# Altium PCB Cell Characterization Board V1.1.PcbDoc (part 2 of 2)
Units mm, origin at the board's own origin, x right, y up, seen from the top; angles counter-clockwise.
Board outline 178.87 x 183.46 mm, 4 copper layers (Top Layer, GND Plane, Power Plane, Bottom Layer), stack 1.746 mm thick; 105 components, 79 nets, 412 pads, 626 vias.
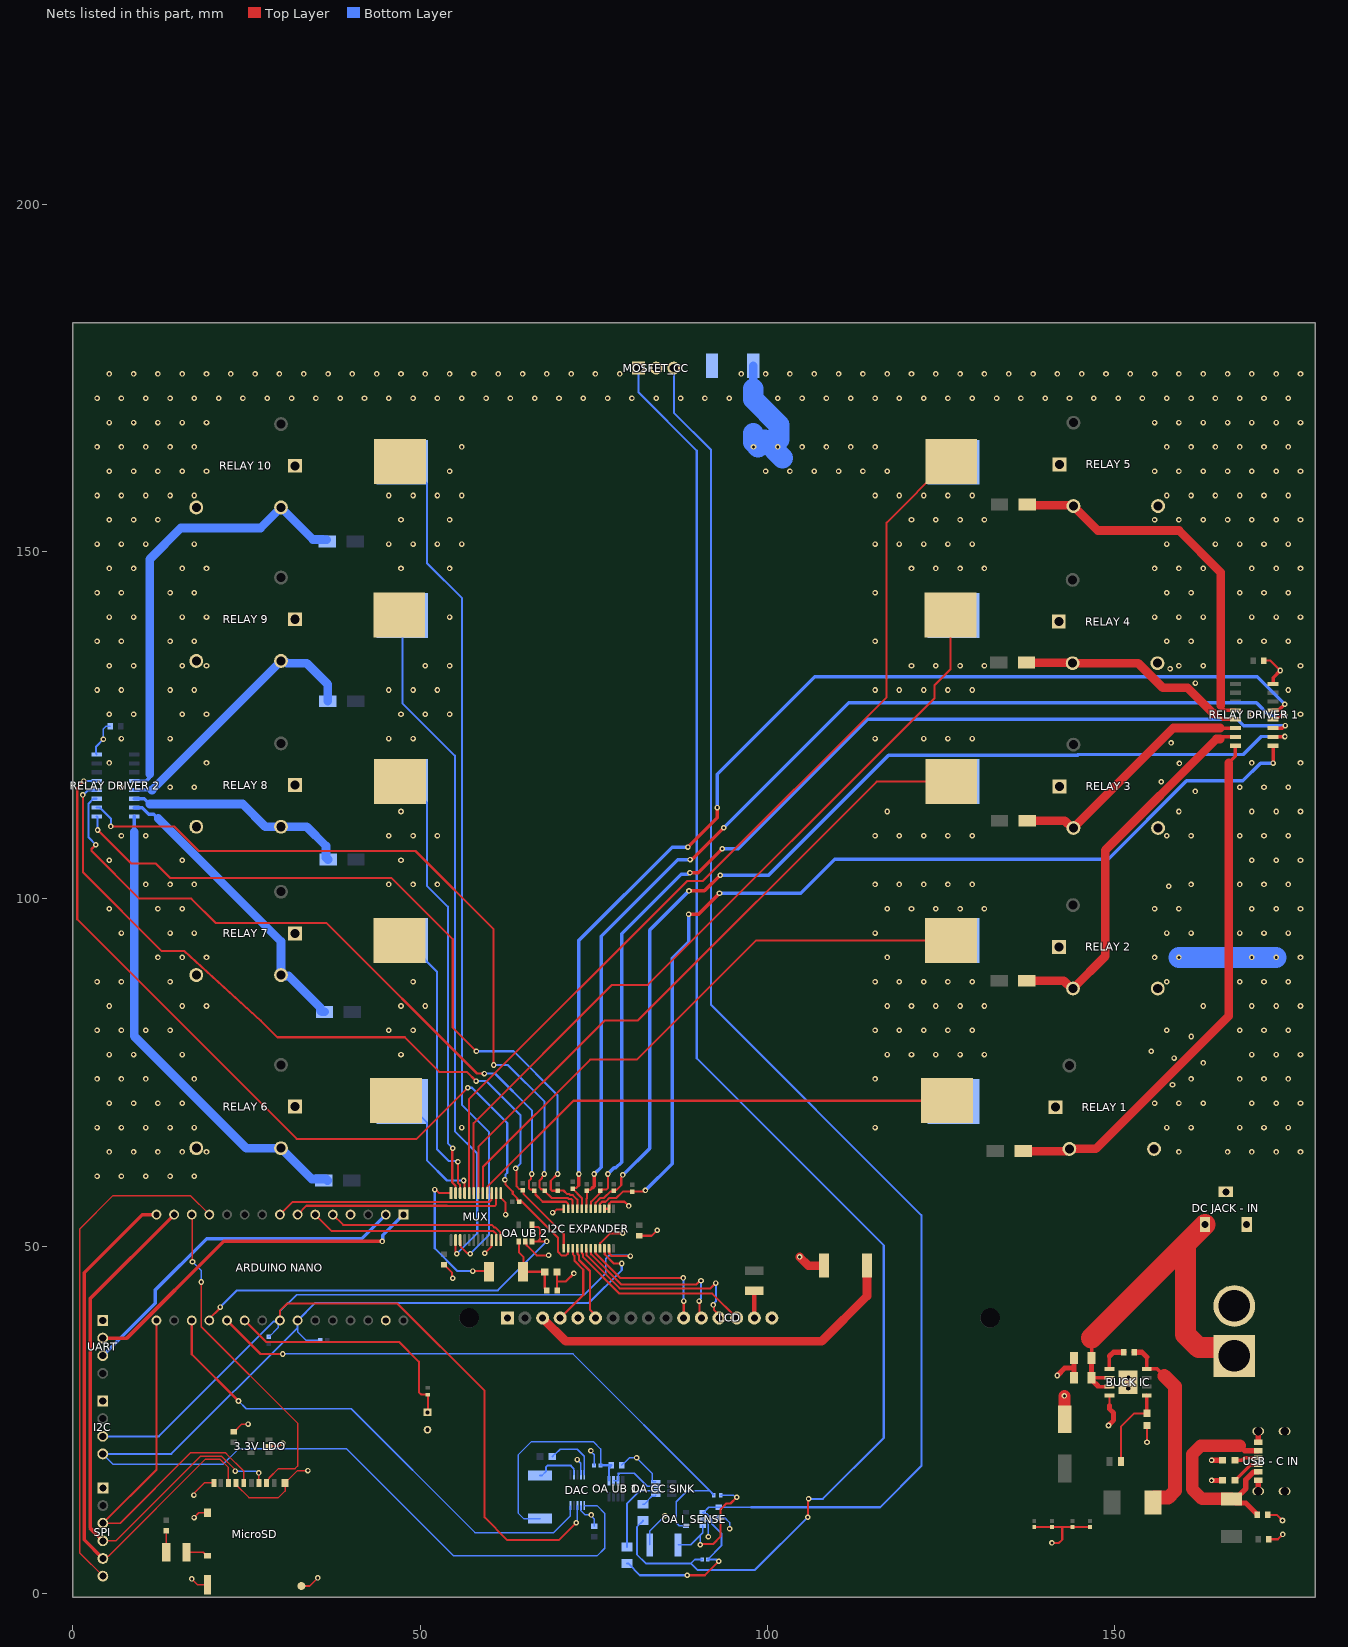
[diagram p4: the nets of this part, all layers, seen from the top]

## Via types
v1: diameter 0.8, hole 0.4, Top Layer to Bottom Layer, tented both sides, 483 vias
v2: diameter 0.8, hole 0.4, Top Layer to Bottom Layer, 141 vias
v3: diameter 1.27, hole 0.6, Top Layer to Bottom Layer, 2 vias

## Nets (pads, with @x,y where several pads share a name; then routed paths per layer and width w, separated by ;. In a path a pad name is that pad's centre, name@x,y a point inside that pad or via, vN(x,y) a via of type N, cw(c..) or ccw(c..) an arc to the next point about the centre after c; other vN are vias at no path point) (continued)
GND: "3.3V LDO.2" "ARDUINO NANO.4" "ARDUINO NANO.29" "BUCK IC.4" "BUCK IC.9" "DC JACK - IN.2" "DC JACK - IN.3" "I2C EXPANDER.2" "I2C EXPANDER.3" "I2C EXPANDER.12" "I2C EXPANDER.21" "OA CC SINK.4" "OA I_SENSE.2" "OA UB 2.2" "RELAY DRIVER 1.8" "RELAY DRIVER 2.8" "USB - C IN.1" "USB - C IN.2" "USB - C IN.3" "USB - C IN.4" "USB - C IN.A12" "USB - C IN.B12" C1.1 C2.1 C4.2 C5.1 C6.2 C7.2 C8.2 C9.2 C10.2 C11.2 C12.2 C14.2 C15.2 C16.2 C17.2 C18.2 C19.2 C20.1 CELL1.1 CELL2.1 CELL3.1 CELL4.1 CELL5.1 CELL6.1 CELL7.1 CELL8.1 CELL9.1 CELL10.1 DAC.4 DAC.7 I2C.1 LCD.1 LCD.5 LCD.16 MicroSD.6 MicroSD.9 MicroSD.11 MicroSD.12 MicroSD.13 MicroSD.14 MUX.12 MUX.15 NTC.2 R2.1 R3.1 R4.1 R9.1 R11.1 R17.1 R18.1 SHUNT.2 SPI.1 UART.1 XT60.N | length 162
  Top Layer w0.22: v2(17.145,2.083) 17.978,1.25 MicroSD.13@19.413,1.25 ; v2(17.45,14.148) 17.561,14.259 17.561,14.512 18.948,15.9 MicroSD.9@20.363,15.9 ; v2(17.475,10.922) 18.153,11.6 MicroSD.12@19.413,11.6 ; C20.1@23.194,23.273 23.244,23.273 24.343,24.372 v2(25.252,24.372) ; MicroSD.6@23.513,15.9 23.513,15.65 25.371,13.792 29.616,13.792 30.563,14.739 MicroSD.11@30.563,15.9 ; 28.263,21.183 29.688,21.183 30.094,21.59 v2(30.251,21.59) ; MicroSD.11@30.563,16 30.953,16.39 31.053,16.39 32.342,17.678 v2(33.858,17.678) ; MicroSD.14@32.927,1.064 34.109,1.064 v2(35.281,2.235)
  Top Layer w0.3: C12.2@53.442,47.307 53.492,47.307 54.62,46.178 54.62,45.46 v2(54.716,45.364) ; v2(59.309,48.971) 59.91,49.572 59.914,49.572 60.307,49.966 60.307,50.849 MUX.15@60.329,50.871 ; MUX.12@61.629,57.621 61.629,56.953 62.326,56.256 v2(62.326,54.534) ; 65.171,50.679 65.346,50.504 65.346,50.107 66.787,48.666 v2(68.504,48.666) ; v2(69.084,54.827) 69.219,54.827 69.688,55.296 70.645,55.296 70.645,55.327 70.695,55.377 ; R11.1@69.715,46.264 69.737,46.243 69.737,44.92 ; C4.2@69.737,43.597 69.737,44.92 ; v2(72.162,46.061) 71.02,44.92 69.737,44.92 ; 75.895,49.677 75.941,49.723 75.941,50.415 77.376,51.85 v2(79.201,51.85) ; 76.545,55.377 77.195,55.377 77.241,55.423 77.241,56.115 77.507,56.381 79.443,56.381 80.037,55.787 v2(80.051,55.787) ; C18.2@81.557,51.487 83.349,51.487 v2(84.154,52.292) ; C8.2@138.43,9.55 C9.2@140.995,9.55 142.464,9.55 ; v2(140.97,7.264) 141.986,7.264 142.464,7.742 142.464,9.55 ; C6.2@146.484,9.55 C7.2@143.933,9.55 142.464,9.55 ; 149.248,27.063 149.248,28.499 ; R9.1@154.633,24.171 154.661,24.143 v2(154.661,21.768) ; C14.2@171.489,134.29 172.441,134.29 v2(173.863,132.867) ; C1.1@172.024,11.33 172.052,11.303 173.355,11.303 v2(174.168,10.49) ; C2.1@172.2,7.798 173.507,7.798 v2(174.193,8.484)
  Top Layer w0.5: 172.796,130.937 172.796,130.962 172.822,130.987 172.822,131.826 v2(173.863,132.867)
  Top Layer w0.7: v2(149.12,24.171) 149.12,24.198 149.85,24.928 149.85,25.971 149.248,26.573 149.248,27.063
  Top Layer w0.75: v2(141.757,31.369) 141.757,31.383 142.821,32.446 142.821,32.459 144.136,32.459 ; C11.2@144.136,31.039 144.136,32.459 ; C10.2@144.136,33.879 144.136,32.459 ; v2(163.964,16.272) R3.1@165.524,16.272 ; v2(163.964,19.172) R4.1@165.524,19.172 ; XT60.N@167.519,41.106 XT60.N@167.24,41.385 XT60.N@167.722,41.868 ; 170.649,21.797 170.674,21.772 170.674,23.342 ; 170.674,14.702 170.674,16.272
  Top Layer w1.25: v2(104.648,48.438) 105.893,47.193 R2.1@108.152,47.193 ; v2(142.773,28.423) v2@142.821,28.375
  Top Layer w1.75: v2(142.773,28.423) 142.773,25.111 C5.1@142.821,25.063
  Bottom Layer w0.22: v2(4.42,122.961) 4.42,124.485 4.775,124.841 C19.2@5.397,124.841 ; v2(72.648,19.267) 72.648,19.235 73.148,18.735 DAC.4@73.148,17.079 ; DAC.7@73.148,12.647 73.148,11.949 73.8,11.297 v2(74.636,11.297) 74.636,11.165 75.086,10.715 C15.2@75.086,9.644 ; v2(74.6,20.532) 74.6,20.444 75.072,19.972 R17.1@75.072,18.444 ; C17.2@79.052,18.444 79.052,18.494 79.342,18.784 79.392,18.784 80.14,19.533 v2(81.178,19.533) 83.409,17.302 83.409,16.201 83.544,16.066 83.947,16.066 ; R18.1@83.047,6.985 83.047,8.955 v2(85.268,11.176) ; 90.706,10.697 90.921,10.482 91.261,10.482 91.52,10.223 91.52,8.157 v2(91.516,8.153) ; C16.2@93.015,10.897 93.878,10.897 94.564,10.211 v2(94.564,9.322)
  Bottom Layer w0.3: 3.447,120.752 3.447,120.833 3.378,120.902 3.378,121.92 v2(4.42,122.961)
  Bottom Layer w1.25: 97.971,173.38 SHUNT.2@97.971,176.733
  Bottom Layer w3: 97.971,167.006 97.971,165.756 98.663,165.065 ; 97.971,173.38 97.971,171.963 101.702,168.233 101.702,166.141 ; 99.628,166.031 102.21,163.449
  other v1: 56.009,67.065 115.509,67.065 115.509,74.065 47.259,77.565 117.259,77.565 120.759,77.565 124.259,77.565 127.759,77.565 131.259,77.565 45.509,81.065 49.009,81.065 115.509,81.065 119.009,81.065 122.509,81.065 126.009,81.065 129.509,81.065 47.259,84.565 50.759,84.565 117.259,84.565 120.759,84.565 124.259,84.565 127.759,84.565 131.259,84.565 49.009,88.065 115.509,88.065 119.009,88.065 122.509,88.065 126.009,88.065 129.509,88.065 117.259,91.565 115.509,95.065 117.259,98.565 120.759,98.565 124.259,98.565 127.759,98.565 131.259,98.565 45.509,102.065 49.009,102.065 52.509,102.065 115.509,102.065 119.009,102.065 122.509,102.065 126.009,102.065 129.509,102.065 47.259,105.565 45.509,109.065 49.009,109.065 52.509,109.065 115.509,109.065 119.009,109.065 122.509,109.065 126.009,109.065 129.509,109.065 47.259,112.565 117.259,112.565 45.509,123.065 49.009,123.065 115.509,123.065 122.509,123.065 126.009,123.065 129.509,123.065 47.259,126.565 50.759,126.565 54.259,126.565 45.509,130.065 49.009,130.065 52.509,130.065 115.509,130.065 119.009,130.065 122.509,130.065 126.009,130.065 129.509,130.065 50.759,133.565 54.259,133.565 120.759,133.565 124.259,133.565 127.759,133.565 131.259,133.565 115.509,137.065 54.259,140.565 115.509,144.065 47.259,147.565 54.259,147.565 120.759,147.565 124.259,147.565 127.759,147.565 131.259,147.565 45.509,151.065 49.009,151.065 52.509,151.065 56.009,151.065 115.509,151.065 119.009,151.065 122.509,151.065 126.009,151.065 129.509,151.065 47.259,154.565 54.259,154.565 120.759,154.565 124.259,154.565 127.759,154.565 131.259,154.565 45.509,158.065 49.009,158.065 52.509,158.065 56.009,158.065 115.509,158.065 119.009,158.065 122.509,158.065 126.009,158.065 129.509,158.065 54.259,161.565 99.759,161.565 103.259,161.565 106.759,161.565 110.259,161.565 113.759,161.565 117.259,161.565 56.009,165.065 98.009,165.065 101.509,165.065 105.009,165.065 108.509,165.065 112.009,165.065 115.509,165.065
  other v3: 151.968,29.489 151.979,31.039
"NetARDUINO NANO_1": "ARDUINO NANO.1" UART.2 | length 51.1
  Top Layer w0.5: UART.2@4.328,36.765 7.811,36.765 21.724,50.679 v2(44.572,50.679)
  Bottom Layer w0.5: v2(44.572,50.679) 44.63,50.736 44.63,51.551 47.612,54.534
"NetARDUINO NANO_2": "ARDUINO NANO.2" UART.3 | length 50.3
  Bottom Layer w0.5: UART.3@4.328,34.225 11.902,41.798 11.902,43.685 19.27,51.054 41.593,51.054 45.072,54.534
"NetARDUINO NANO_5": "ARDUINO NANO.5" MUX.13 | length 26.3
  Top Layer w0.3: 37.452,54.534 38.937,53.049 60.335,53.049 60.678,52.706 60.812,52.706 61.607,51.91 61.607,50.893 MUX.13@61.629,50.871
"NetARDUINO NANO_6": "ARDUINO NANO.6" MUX.14 | length 28.1
  Top Layer w0.3: 34.912,54.534 37.295,52.152 60.582,52.152 60.957,51.777 60.957,50.893 MUX.14@60.979,50.871
"NetARDUINO NANO_7": "ARDUINO NANO.7" MUX.11 | length 30.8
  Top Layer w0.3: 32.372,54.534 33.642,55.804 53.858,55.804 53.875,55.787 60.765,55.787 60.957,55.98 60.957,57.6 MUX.11@60.979,57.621
"NetARDUINO NANO_8": "ARDUINO NANO.8" MUX.10 | length 32.3
  Top Layer w0.3: 29.832,54.534 31.656,56.358 54.088,56.358 54.104,56.341 59.932,56.341 60.307,56.716 60.307,57.6 MUX.10@60.329,57.621
"NetARDUINO NANO_12": "ARDUINO NANO.12" SPI.6 | length 73.1
  Top Layer w0.22: SPI.6@4.343,2.486 1.037,5.792 1.037,52.497 5.817,57.277 16.929,57.277 19.672,54.534
"NetARDUINO NANO_13": "ARDUINO NANO.13" MicroSD.2 | length 48.2
  Top Layer w0.22: 17.132,54.534 17.189,54.477 17.189,47.809 v2(17.247,47.752) ; v2(18.496,44.831) 18.496,38.4 32.372,24.524 32.372,18.34 32,17.968 29.617,17.968 28.299,16.651 28.299,16.536 27.913,16.15 MicroSD.2@27.913,15.9
  Bottom Layer w0.22: v2(17.247,47.752) 18.496,46.502 v2(18.496,44.831)
"NetARDUINO NANO_14": "ARDUINO NANO.14" MicroSD.3 SPI.4 | length 82.8
  Top Layer w0.22: SPI.4@4.343,7.566 6.213,7.566 18.407,19.759 21.437,19.759 23.282,17.914 23.282,17.713 v2(23.393,17.602) ; v2(26.772,17.348) 26.772,15.941 MicroSD.3@26.813,15.9
  Top Layer w0.5: SPI.4@4.343,7.566 2.489,9.42 2.489,42.431 14.592,54.534
  Bottom Layer w0.22: v2(23.393,17.602) 26.361,17.602 26.615,17.348 v2(26.772,17.348)
"NetARDUINO NANO_15": "ARDUINO NANO.15" MicroSD.7 SPI.5 | length 82.8
  Top Layer w0.22: SPI.5@4.343,5.026 4.703,5.026 5.037,5.36 5.131,5.36 19.057,19.285 21.241,19.285 22.413,18.113 MicroSD.7@22.413,15.9
  Top Layer w0.5: SPI.5@4.343,5.026 1.651,7.718 1.651,46.189 9.996,54.534 12.052,54.534
"NetARDUINO NANO_16": "ARDUINO NANO.16" MicroSD.5 SPI.3 | length 59.6
  Top Layer w0.22: SPI.3@4.343,10.106 6.829,10.106 16.957,20.233 21.982,20.233 22.138,20.077 24.613,17.602 MicroSD.5@24.613,15.9
  Top Layer w0.3: SPI.3@4.343,10.106 12.052,17.815 12.052,39.294
"NetARDUINO NANO_18": "ARDUINO NANO.18" DAC.10 | length 72.4
  Top Layer w0.3: 17.132,39.294 17.132,34.428 v2(23.863,27.697)
  Bottom Layer w0.22: v2(23.863,27.697) 24.992,26.568 40.097,26.568 57.903,8.763 69.246,8.763 71.648,11.165 71.648,11.626 71.644,11.629 71.644,12.513 DAC.10@71.618,12.539
"NetARDUINO NANO_19": "ARDUINO NANO.19" "OA UB 2.3" "OA UB 2.4" | length 59
  Top Layer w0.3: 19.672,39.294 19.672,39.527 21.234,41.089 v2(21.234,41.224) ; 66.121,50.679 66.977,50.679 ; 66.121,53.079 66.121,52.954 66.296,52.779 67.014,52.779 67.268,52.524 67.268,50.969 66.977,50.679 ; v2(68.237,50.679) 66.977,50.679
  Bottom Layer w0.3: v2(21.234,41.224) 23.647,43.637 61.195,43.637 v2(68.237,50.679)
"NetARDUINO NANO_20": "ARDUINO NANO.20" "OA I_SENSE.4" R16.2 | length 91.4
  Top Layer w0.3: 22.212,39.294 27.038,34.468 v2(30.251,34.468)
  Bottom Layer w0.22: v2(30.251,34.468) 72.024,34.468 92.29,14.202 R16.2@92.29,14.152
  Bottom Layer w0.254: 88.306,9.747 87.333,9.747 86.895,10.185 86.895,13.205 88.457,14.766 91.675,14.766 R16.2@92.29,14.152
"NetARDUINO NANO_21": "ARDUINO NANO.21" NTC.1 R1.1 | length 35.9
  Top Layer w0.3: 24.752,39.294 27.831,36.215 46.97,36.215 49.835,33.35 49.835,28.981 50.208,28.608 R1.1@51.13,28.608 51.13,26.117 NTC.1@51.079,26.066
"NetARDUINO NANO_23": "ARDUINO NANO.23" "I2C EXPANDER.23" DAC.8 I2C.3 R5.1 | length 168.6
  Top Layer w0.3: 29.832,39.294 29.832,40.67 30.895,41.732 46.745,41.732 59.309,29.168 59.309,10.947 62.586,7.671 69.994,7.671 v2(72.508,10.185) ; 77.195,49.677 77.241,49.631 77.241,48.939 77.611,48.569 v2(80.287,48.569)
  Bottom Layer w0.22: R5.1@28.245,36.924 29.604,38.283 29.604,39.065 29.832,39.294 ; v2(72.508,10.185) 72.618,10.295 72.618,12.617 DAC.8@72.648,12.647
  Bottom Layer w0.254: 29.832,39.294 29.832,40.602 32.233,43.002 73.635,43.002 76.727,46.095 76.727,48.193 77.185,48.65 80.206,48.65 v2(80.287,48.569)
  Bottom Layer w0.3: I2C.3@4.328,22.617 12.381,22.617 28.927,39.163 29.702,39.163 29.832,39.294
"NetARDUINO NANO_24": "ARDUINO NANO.24" "I2C EXPANDER.22" DAC.6 I2C.4 R8.1 | length 184.2
  Top Layer w0.3: 76.545,49.677 76.591,49.631 76.591,48.806 77.898,47.498 v2(79.045,47.498)
  Bottom Layer w0.22: I2C.4@4.328,20.077 5.812,18.593 21.641,18.593 23.851,20.803 39.446,20.803 54.858,5.391 75.495,5.391 76.61,6.506 76.61,11.509 75.472,12.647 DAC.6@73.648,12.647 ; 32.372,38.25 32.372,37.656 33.604,36.424 35.268,36.424
  Bottom Layer w0.3: I2C.4@4.328,20.077 14.2,20.077 32.372,38.25 32.372,39.294 34.901,41.823 74.324,41.823 79.045,46.543 v2(79.045,47.498)
"NetBUCK IC_1": "BUCK IC.1" C3.1 | length 4.2
  Top Layer w0.5: 149.248,32.309 149.248,34.154
  Top Layer w0.75: 149.248,34.154 149.823,34.729 C3.1@151.325,34.729
"NetBUCK IC_2": "BUCK IC.2" "BUCK IC.3" "DC JACK - IN.1" C10.1 C11.1 XT60.P | length 55.8
  Top Layer w0.5: C11.1@146.688,30.763 146.963,31.039 149.248,31.039 ; C10.1@146.688,33.879 146.688,36.787 ; 147.586,29.864 147.682,29.769 149.248,29.769
  Top Layer w0.75: C11.1@146.688,30.763 147.586,29.864 ; C11.1@146.688,31.039 C10.1@146.688,33.879
  Top Layer w3: 146.688,36.787 160.223,50.323 ; 163.012,53.111 160.223,50.323 ; XT60.P@167.24,34.185 166.012,35.413 162.103,35.413 160.223,37.293 160.223,50.323
"NetBUCK IC_5": "BUCK IC.5" R6.1 R9.2 | length 12.1
  Top Layer w0.3: R6.1@150.948,19.004 150.948,24.047 152.825,25.924 R9.2@154.633,25.924
  Top Layer w0.5: R9.2@154.633,25.924 154.633,28.499
"NetBUCK IC_8": "BUCK IC.8" C3.2 L1.1 | length 27.6
  Top Layer w0.5: 154.633,34.027 154.633,32.309 156.159,32.309 157.15,31.318
  Top Layer w0.75: C3.2@152.825,34.729 153.931,34.729 154.633,34.027
  Top Layer w2: L1.1@155.5,13.605 155.725,13.83 157.727,13.83 158.674,14.777 158.674,29.794 157.15,31.318
NetC1_2: "USB - C IN.A9" "USB - C IN.B9" C1.2 FB1.1 | length 31.9
  Top Layer w0.75: FB1.1@166.824,13.605 167.399,13.03 168.874,13.03 170.524,11.38 C1.2@170.524,11.33 ; FB1.1@167.374,13.605 168.893,15.124 168.893,16.38 170.01,17.497 170.669,17.497 170.674,17.502 ; 168.046,21.234 168.739,20.542 170.674,20.542
  Top Layer w1.8: FB1.1@166.824,13.605 162.594,13.605 161.163,15.037 161.163,20.015 162.382,21.234 168.046,21.234
NetC4_1: "OA UB 2.1" C4.1 R10.1 R11.2 | length 10.7
  Top Layer w0.3: 64.221,50.679 64.221,49.092 64.907,48.407 64.907,46.404 R10.1@64.807,46.304 67.922,46.304 R11.2@67.962,46.264 67.962,43.922 68.237,43.647 C4.1@68.237,43.597
NetC13_1: C13.1 MOSFET_CC.1 R13.2 | length 221.6
  Top Layer w0.3: v2(105.816,10.973) 105.88,11.036 105.88,13.551 v2(105.943,13.614)
  Bottom Layer w0.22: 88.989,4.315 89.555,4.881 C13.1@90.606,4.881
  Bottom Layer w0.254: R13.2@82.118,10.483 81.233,9.597 81.233,5.569 82.487,4.315 88.989,4.315
  Bottom Layer w0.3: MOSFET_CC.1@81.458,176.409 81.458,172.904 89.84,164.522 89.84,77.038 116.764,50.114 116.764,22.377 108.001,13.614 v2(105.943,13.614) ; 88.989,4.315 89.923,3.381 98.224,3.381 v2(105.816,10.973)
NetC13_2: "OA I_SENSE.1" C13.2 C16.1 MOSFET_CC.3 R15.2 SHUNT.1 | length 232.3
  Top Layer w0.3: v2(88.468,2.616) 91.01,2.616 v2(93.015,4.621)
  Bottom Layer w0.254: 90.706,11.647 90.769,11.585 90.904,11.449 91.268,11.449 92.011,10.706 92.011,10.046 93.396,8.661 93.396,6.871 C13.2@91.406,4.881 ; 90.831,11.647 91.581,12.397 C16.1@93.015,12.397 97.692,12.397
  Bottom Layer w0.3: R15.2@79.786,4.315 79.962,4.315 81.661,2.616 v2(88.468,2.616) ; MOSFET_CC.3@86.538,176.409 86.538,170.002 91.897,164.643 91.897,84.721 122.174,54.445 122.174,18.339 116.232,12.397 97.692,12.397 ; C13.2@91.406,4.881 92.62,4.881 92.88,4.621 v2(93.015,4.621)
NetC17_1: "OA UB 1.5" C17.1 R14.1 R17.2 | length 31.2
  Bottom Layer w0.22: R14.1@67.275,10.771 64.909,10.771 64.125,11.556 64.125,19.935 66.044,21.855 74.95,21.855 76,20.805 R17.2@76,18.444
  Bottom Layer w0.3: R17.2@76,18.444 C17.1@77.552,18.444 77.552,18.394 77.21,18.052 77.21,16.241
NetCELL1_2: "RELAY 1.1" CELL1.2 MUX.9 | length 72.2
  Top Layer w0.3: MUX.9@59.679,57.621 59.701,57.643 59.701,58.527 72.103,70.929 CELL1.2@125.893,70.929
NetCELL2_2: "RELAY 2.1" CELL2.2 MUX.8 | length 84.7
  Top Layer w0.3: MUX.8@59.029,57.621 59.051,57.643 59.051,58.394 59.068,58.41 59.068,61.405 74.498,76.835 81.229,76.835 98.412,94.018 CELL2.2@126.426,94.018
NetCELL3_2: "RELAY 3.1" CELL3.2 MUX.7 | length 96.5
  Top Layer w0.3: MUX.7@58.379,57.621 58.401,57.643 58.401,64.294 76.581,82.474 81.356,82.474 115.76,116.878 CELL3.2@126.477,116.878
NetCELL4_2: "RELAY 4.1" CELL4.2 MUX.6 | length 114.9
  Top Layer w0.3: MUX.6@57.729,57.448 57.729,67.691 77.643,87.605 82.804,87.605 124.063,128.863 124.063,130.756 126.376,133.069 CELL4.2@126.376,140.856
NetCELL5_2: "RELAY 5.1" CELL5.2 MUX.5 | length 135.7
  Top Layer w0.3: MUX.5@57.079,57.621 57.079,71.188 88.456,102.565 90.723,102.565 117.17,129.013 117.17,154.167 125.982,162.979 CELL5.2@126.477,162.979
NetCELL6_2: "RELAY 6.1" CELL6.2 MUX.4 | length 18.8
  Top Layer w0.3: v2(56.275,59.444) 56.275,59.309 56.429,59.155 56.429,57.458 MUX.4@56.407,57.436
  Bottom Layer w0.3: CELL6.2@47.449,70.851 47.944,70.851 51.032,67.763 51.032,62.302 53.891,59.444 v2(56.275,59.444)
NetCELL7_2: "RELAY 7.1" CELL7.2 MUX.3 | length 41
  Top Layer w0.3: v2(55.448,62.128) 55.448,59.134 55.757,58.825 55.757,57.494 MUX.3@55.818,57.434
  Bottom Layer w0.3: CELL7.2@47.449,94.016 47.944,94.016 52.426,89.534 52.426,63.975 54.176,62.224 55.353,62.224 v2(55.448,62.128)
NetCELL8_2: "RELAY 8.1" CELL8.2 MUX.2 | length 63
  Top Layer w0.3: v2(54.716,64.093) 54.644,64.022 54.644,59.154 55.107,58.691 55.107,57.451 MUX.2@55.091,57.434
  Bottom Layer w0.3: CELL8.2@47.449,116.901 47.944,116.901 51.032,113.813 51.032,101.825 54,98.857 54,64.808 v2(54.716,64.093)
NetCELL9_2: "RELAY 9.1" CELL9.2 MUX.23 | length 99.6
  Top Layer w0.3: MUX.23@55.129,50.871 55.129,49.166 55.276,49.019 v2(55.276,48.884)
  Bottom Layer w0.3: CELL9.2@47.449,140.756 47.449,128.167 55.022,120.593 55.022,66.557 58.242,63.337 58.242,51.85 v2(55.276,48.884)
NetCELL10_2: "RELAY 10.1" CELL10.2 MUX.22 | length 123.3
  Top Layer w0.3: MUX.22@55.779,50.871 55.801,50.849 55.801,49.966 56.777,48.99 57.13,48.99 v2(57.226,48.894)
  Bottom Layer w0.3: CELL10.2@47.449,162.85 47.944,162.85 51.032,159.762 51.032,148.281 56.067,143.247 56.067,70.302 59.919,66.45 59.919,51.587 v2(57.226,48.894)
NetD1_1: "RELAY 1.2" "RELAY DRIVER 1.16" D1.1 | length 77
  Top Layer w0.5: 166.414,119.565 167.396,120.548 167.396,122.047
  Top Layer w1.25: D1.1@136.835,63.672 142.955,63.672 143.277,63.994 143.48,63.994 147.285,63.994 166.414,83.123 166.414,119.565
NetD2_1: "RELAY 2.2" "RELAY DRIVER 1.15" D2.1 | length 54.4
  Top Layer w0.5: 165.227,123.017 165.527,123.317 167.396,123.317
  Top Layer w1.25: D2.1@137.369,88.209 142.683,88.209 143.81,87.082 144.013,87.082 148.641,91.71 148.641,106.981 164.677,123.017 165.227,123.017
NetD3_1: "RELAY 3.2" "RELAY DRIVER 1.14" D3.1 | length 36.4
  Top Layer w0.5: 165.227,124.587 167.396,124.587
  Top Layer w1.25: D3.1@137.419,111.246 142.806,111.246 143.861,110.192 144.064,110.192 158.459,124.587 165.227,124.587
NetD4_1: "RELAY 4.2" "RELAY DRIVER 1.13" D4.1 | length 33.4
  Top Layer w0.5: 164.317,126.668 165.562,125.857 167.396,125.857
  Top Layer w1.25: D4.1@137.318,134.03 137.373,133.975 143.907,133.975 143.962,133.92 153.406,133.92 156.948,130.378 160.509,130.378 164.218,126.668 164.317,126.668
NetD5_1: "RELAY 5.2" "RELAY DRIVER 1.12" D5.1 | length 53.6
  Top Layer w0.5: 165.301,127.811 165.301,127.663 165.837,127.127 167.396,127.127
  Top Layer w1.25: D5.1@137.419,156.763 137.529,156.653 143.954,156.653 144.064,156.543 147.572,153.035 159.258,153.035 165.301,146.992 165.301,127.811
NetD6_1: "RELAY 6.2" "RELAY DRIVER 2.16" D6.1 | length 68.1
  Bottom Layer w0.5: 8.847,109.666 8.847,111.862
  Bottom Layer w1.25: 8.847,109.666 8.847,80.231 24.985,64.093 29.989,64.093 34.413,59.669 36.462,59.669 D6.1@36.687,59.444
NetD7_1: "RELAY 7.2" "RELAY DRIVER 2.15" D7.1 | length 42.7
  Bottom Layer w0.5: 8.847,113.132 8.897,113.082 10.036,113.082 10.956,112.162 11.689,112.162 12.294,111.557
  Bottom Layer w1.25: 12.294,111.557 29.989,93.861 29.989,89.021 30.133,88.878 31.093,88.878 35.627,84.343 35.627,83.943 35.852,83.718 D7.1@36.252,83.718
NetD8_1: "RELAY 8.2" "RELAY DRIVER 2.14" D8.1 | length 32.6
  Bottom Layer w0.5: 8.847,114.402 10.312,114.402 11.074,113.64
  Bottom Layer w1.25: 11.074,113.64 24.46,113.64 27.727,110.373 29.989,110.373 33.701,110.373 36.472,107.602 36.472,105.889 36.697,105.664 D8.1@36.786,105.664
NetD9_1: "RELAY 9.2" "RELAY DRIVER 2.13" D9.1 | length 39.4
  Bottom Layer w0.5: 8.847,115.672 11.405,115.672
  Bottom Layer w1.25: 11.405,115.672 11.413,115.672 29.989,134.248 30.133,134.105 30.663,134.105 30.859,133.909 33.706,133.909 36.735,130.88 D9.1@36.735,128.448
NetD10_1: "RELAY 10.2" "RELAY DRIVER 2.12" D10.1 | length 63.9
  Bottom Layer w0.5: 8.847,116.942 10.548,116.942 11.074,117.468
  Bottom Layer w1.25: 11.074,117.912 11.074,148.895 15.57,153.391 27.038,153.391 29.989,156.342 34.592,151.74 35.979,151.74 36.034,151.685 D10.1@36.576,151.685
NetD11_2: D11.2 R19.2 | length 2.7
  Top Layer w0.22: R19.2@13.483,5.918 13.483,8.581
NetDAC_2: DAC.2 R14.2 | length 6.9
  Bottom Layer w0.254: R14.2@67.275,16.971 67.554,16.971 68.152,17.569 68.152,18.245 68.301,18.394 71.718,18.394 72.148,17.964 DAC.2@72.148,17.079
NetDAC_5: DAC.5 R12.2 | length 8.2
  Bottom Layer w0.254: R12.2@69.029,19.689 69.408,20.068 69.481,20.068 70.167,20.755 72.654,20.755 73.648,19.76 DAC.5@73.648,17.079
"NetI2C EXPANDER_4": "I2C EXPANDER.4" "RELAY DRIVER 1.1" RPU1.1 | length 146.1
  Top Layer w0.3: 75.895,55.377 75.941,55.423 75.941,56.115 76.207,56.381 76.723,56.381 77.277,56.935 78.289,56.935 79.201,57.847 82.15,57.847 82.314,58.011 v2(82.449,58.011)
  Top Layer w0.5: v2(88.671,97.765) 90.1,97.765 v2(93.119,100.784) ; 172.796,122.047 172.822,122.022 v2(172.822,119.532)
  Bottom Layer w0.5: v2(82.449,58.011) 86.309,61.871 86.309,91.415 88.671,93.777 v2(88.671,97.765) ; v2(93.119,100.784) 104.823,100.784 109.728,105.689 149.073,105.689 160.352,116.969 168.441,116.969 171.004,119.532 v2(172.822,119.532)
"NetI2C EXPANDER_5": "I2C EXPANDER.5" "RELAY DRIVER 1.2" RPU2.1 | length 148.8
  Top Layer w0.3: 75.245,55.377 75.291,55.423 75.291,56.249 75.977,56.935 76.494,56.935 77.439,57.881 77.814,57.881 78.045,58.112 78.296,58.112 78.97,58.786 78.97,59.879 79.201,60.11 v2(79.201,60.245)
  Top Layer w0.5: v2(88.722,101.143) 90.957,101.143 v2(93.218,103.403) ; 172.796,123.317 172.822,123.342 174.498,123.342 v2(174.523,123.368)
  Bottom Layer w0.5: v2(79.201,60.245) 79.274,60.245 83.083,64.055 83.083,95.504 v2(88.722,101.143) ; v2(93.218,103.403) 100.177,103.403 117.449,120.675 144.674,120.675 144.772,120.773 168.5,120.773 171.095,123.368 v2(174.523,123.368)
"NetI2C EXPANDER_6": "I2C EXPANDER.6" "RELAY DRIVER 1.3" RPU3.1 | length 152.7
  Top Layer w0.3: 74.595,55.377 74.641,55.423 74.641,56.382 75.875,57.617 75.875,57.924 76.063,58.112 76.284,58.112 76.312,58.14 76.838,58.14 77.045,58.347 v2(77.045,60.381)
  Top Layer w0.5: v2(88.849,103.759) 88.861,103.771 90.08,103.771 v2(93.523,107.213) ; 172.796,124.587 174.143,124.587 174.498,124.943 v2(174.574,124.943)
  Bottom Layer w0.5: v2(77.045,60.381) 77.926,61.262 78.196,61.262 79.019,62.085 79.019,94.945 87.587,103.512 88.521,103.512 88.768,103.759 v2(88.849,103.759) ; v2(93.523,107.213) 95.809,107.213 114.478,125.882 167.656,125.882 168.595,124.943 v2(174.574,124.943)
"NetI2C EXPANDER_7": "I2C EXPANDER.7" "RELAY DRIVER 1.4" RPU4.1 | length 155.3
  Top Layer w0.3: 73.945,55.469 73.945,56.788 74.031,56.874 74.031,58.011 74.132,58.112 74.569,58.112 74.825,58.368
  Top Layer w0.5: 74.825,58.368 75.059,58.603 v2(75.059,60.381) ; v2(88.875,105.639) 88.932,105.696 89.186,105.696 v2(93.726,110.236) ; 172.796,125.857 173.271,125.857 173.773,126.358 174.441,126.358 v2(174.498,126.416)
  Bottom Layer w0.5: v2(75.059,60.381) 75.107,60.381 76.073,61.347 76.073,94.59 87.122,105.639 v2(88.875,105.639) ; v2(93.726,110.236) 111.696,128.206 170.426,128.206 172.216,126.416 v2(174.498,126.416)
"NetI2C EXPANDER_8": "I2C EXPANDER.8" "RELAY DRIVER 1.5" RPU5.1 | length 164.4
  Top Layer w0.3: 72.883,58.74 72.526,58.384 72.132,58.384 RPU5.1@71.986,58.238 73.295,56.929 73.295,55.469
  Top Layer w0.5: 72.883,58.74 v2(72.883,60.381) ; v2(88.57,107.442) 92.786,111.658 v2(92.786,113.132) ; 172.796,127.127 172.846,127.177 173.659,127.177 v2(174.498,128.016)
  Bottom Layer w0.5: v2(72.883,60.381) 72.883,94.015 86.309,107.442 v2(88.57,107.442) ; v2(92.786,113.132) 92.786,117.907 106.843,131.963 170.551,131.963 v2(174.498,128.016)
"NetI2C EXPANDER_9": "I2C EXPANDER.9" "RELAY DRIVER 2.1" RPU6.1 | length 110.9
  Top Layer w0.3: v2(3.581,109.906) 8.407,105.08 11.963,105.08 14.072,102.972 45.918,102.972 54.716,94.174 54.716,81.454 v2(58.115,78.054) ; RPU6.1@69.726,58.011 69.682,57.967 68.999,57.967 68.823,58.143 68.823,59.402 v2(69.8,60.379) ; RPU6.1@70.036,58.011 70.663,58.011 71.184,57.489 71.492,57.489 71.654,57.327 72.002,57.327 72.645,56.685 72.645,55.377
  Bottom Layer w0.3: 3.447,111.862 3.581,111.727 v2(3.581,109.906) ; v2(58.115,78.054) 63.475,78.054 69.8,71.729 v2(69.8,60.379)
"NetI2C EXPANDER_10": "I2C EXPANDER.10" "RELAY DRIVER 2.2" RPU7.1 | length 113.6
  Top Layer w0.3: v2(5.486,110.414) 14.593,110.414 18.124,106.883 49.352,106.883 60.604,95.631 v2(60.604,76.073) ; v2(67.881,60.381) 67.881,60.245 67.534,59.898 67.534,59.73 67.175,59.372 67.175,58.45 67.485,58.14 67.763,58.14 67.85,58.054 67.85,57.967 67.936,57.881 67.979,57.881 68.925,56.935 71.262,56.935 71.425,56.773 71.773,56.773 71.949,56.597 71.949,55.423 71.995,55.377
  Bottom Layer w0.3: 3.447,113.132 3.922,113.132 5.486,111.567 v2(5.486,110.414) ; v2(60.604,76.073) 62.633,76.073 67.936,70.771 67.936,60.436 v2(67.881,60.381)
"NetI2C EXPANDER_11": "I2C EXPANDER.11" "RELAY DRIVER 2.3" RPU8.2 | length 106.6
  Top Layer w0.3: v2(3.327,107.798) 2.7,107.171 2.7,106.922 9.601,100.021 17.082,100.021 20.558,96.545 36.5,96.545 58.202,74.843 v2(59.274,74.843) ; v2(66.096,60.379) 66,60.283 66,59.712 65.711,59.422 65.711,58.316 65.886,58.14 66.096,58.14 66.124,58.112 66.345,58.112 RPU8.2@66.446,58.011 ; RPU8.2@66.446,57.937 66.618,57.765 66.618,57.422 67.659,56.381 71.033,56.381 71.299,56.115 71.299,55.423 71.345,55.377
  Bottom Layer w0.3: v2(3.327,107.798) 2.268,108.857 2.268,113.698 2.972,114.402 3.447,114.402 ; v2(59.274,74.843) 60.793,74.843 66.096,69.54 v2(66.096,60.379)
"NetI2C EXPANDER_13": "I2C EXPANDER.13" "RELAY DRIVER 2.4" RPU9.2 | length 113.2
  Top Layer w0.3: v2(1.449,114.961) 1.449,103.859 12.842,92.467 16.093,92.467 27.08,82.454 29.469,80.065 47.797,80.065 52.769,75.093 56.733,75.093 v2(58.064,73.762) ; v2(63.765,61.185) 63.861,61.089 63.861,60.799 63.901,60.759 63.901,58.6 64.299,58.202 64.646,58.202 RPU9.2@64.821,58.027 64.907,57.941 64.907,57.49 70.695,51.702 70.695,49.677
  Bottom Layer w0.3: v2(1.449,114.961) 1.543,114.961 2.203,115.621 3.396,115.621 3.447,115.672 ; v2(58.064,73.762) 59.538,73.762 64.491,68.809 64.491,61.91 v2(63.765,61.185)
"NetI2C EXPANDER_14": "I2C EXPANDER.14" "RELAY DRIVER 2.5" RPU10.2 | length 126.8
  Top Layer w0.3: v2(1.575,116.942) 0.645,116.012 0.645,97.035 32.25,65.43 49.505,65.43 v2(56.871,72.796) ; v2(62.23,59.565) 62.326,59.469 62.326,58.859 63.345,57.839 63.345,57.524 63.994,56.875 63.994,56.653 RPU10.2@64.265,56.382 ; RPU10.2@64.463,56.597 69.888,51.172 69.888,49.142 70.357,48.673 71.033,48.673 71.299,48.939 71.299,49.631 71.345,49.677
  Bottom Layer w0.3: v2(1.575,116.942) 3.447,116.942 ; v2(56.871,72.796) 57.488,72.796 62.564,67.72 62.564,60.565 62.326,60.327 62.326,59.661 v2(62.23,59.565)
"NetI2C EXPANDER_15": "I2C EXPANDER.15" LCD.4 | length 12
  Top Layer w0.3: LCD.4@70.184,39.655 73.495,42.966 73.495,46.603 72.233,47.865 72.233,48.569 72.041,48.761 72.041,49.631 71.995,49.677
"NetI2C EXPANDER_16": "I2C EXPANDER.16" LCD.6 | length 11.1
  Top Layer w0.3: 72.645,49.677 72.691,49.631 72.691,48.894 72.787,48.798 72.787,48.71 72.883,48.614 72.883,47.999 74.473,46.409 74.473,40.829 75.264,40.038 LCD.6@75.264,39.655
"NetI2C EXPANDER_17": "I2C EXPANDER.17" LCD.14 | length 27.1
  Top Layer w0.3: 73.295,49.677 73.341,49.631 73.341,48.939 73.437,48.843 73.437,48.443 78.725,43.155 92.085,43.155 LCD.14@95.584,39.655
"NetI2C EXPANDER_18": "I2C EXPANDER.18" LCD.13 | length 27.4
  Top Layer w0.3: 73.945,49.677 73.991,49.631 73.991,48.672 78.741,43.922 91.827,43.922 v2(92.583,44.679) ; v2(92.202,41.529) 92.298,41.433 92.298,40.829 93.044,40.083 LCD.13@93.044,39.655
  Bottom Layer w0.3: v2(92.202,41.529) 92.202,41.664 92.583,42.045 v2(92.583,44.679)
"NetI2C EXPANDER_19": "I2C EXPANDER.19" LCD.12 | length 24.3
  Top Layer w0.3: 74.595,49.677 74.641,49.631 74.641,48.806 78.97,44.476 89.782,44.476 90.314,45.009 v2(90.449,45.009) ; v2(90.17,42.088) 90.266,41.992 90.266,39.894 LCD.12@90.504,39.655
  Bottom Layer w0.3: v2(90.17,42.088) 90.17,42.223 90.449,42.503 v2(90.449,45.009)
"NetI2C EXPANDER_20": "I2C EXPANDER.20" LCD.11 | length 20.6
  Top Layer w0.3: 75.245,49.677 75.291,49.631 75.291,48.939 78.815,45.415 v2(87.884,45.415) ; LCD.11@87.964,39.655 v2(87.964,42.088)
  Bottom Layer w0.3: v2(87.884,45.415) 87.924,45.375 87.924,42.128 v2(87.964,42.088)
NetLCD_3: LCD.3 R2.2 | length 55.2
  Top Layer w1.25: LCD.3@67.644,39.655 67.644,39.623 70.969,36.299 107.825,36.299 114.352,42.826 R2.2@114.352,47.193
NetLCD_15: LCD.15 R7.2 | length 3.9
  Top Layer w0.7: LCD.15@98.124,39.655 R7.2@98.124,43.559
NetMicroSD_10: MicroSD.10 R19.1 | length 3.2
  Top Layer w0.22: R19.1@16.383,5.918 18.795,5.918 19.313,5.4 MicroSD.10@19.413,5.4
NetMOSFET_CC_2: "RELAY 1.3" "RELAY 2.3" "RELAY 3.3" "RELAY 4.3" "RELAY 5.3" "RELAY 6.3" "RELAY 7.3" "RELAY 8.3" "RELAY 9.3" "RELAY 10.3" MOSFET_CC.2 | length 14
  Bottom Layer w3: v1(159.259,91.565) v1(173.259,91.565)
  other v1: 3.509,60.065 7.009,60.065 10.509,60.065 14.009,60.065 17.509,60.065 5.259,63.565 8.759,63.565 12.259,63.565 15.759,63.565 19.259,63.565 159.259,63.565 166.259,63.565 169.759,63.565 173.259,63.565 176.759,63.565 3.509,67.065 7.009,67.065 10.509,67.065 14.009,67.065 17.509,67.065 157.509,67.065 161.009,67.065 168.009,67.065 171.509,67.065 175.009,67.065 5.259,70.565 8.759,70.565 12.259,70.565 15.759,70.565 155.759,70.565 159.259,70.565 162.759,70.565 169.759,70.565 173.259,70.565 176.759,70.565 158.337,73.237 3.509,74.065 7.009,74.065 10.509,74.065 17.509,74.065 161.009,74.065 168.009,74.065 171.509,74.065 175.009,74.065 162.759,76.369 158.555,77.073 5.259,77.565 8.759,77.565 15.759,77.565 169.759,77.565 173.259,77.565 176.759,77.565 155.28,78.044 161.032,80.179 3.509,81.065 7.009,81.065 10.509,81.065 14.009,81.065 157.509,81.065 168.009,81.065 171.509,81.065 175.009,81.065 5.259,84.565 15.759,84.565 19.259,84.565 162.759,84.565 169.759,84.565 173.259,84.565 176.759,84.565 3.509,88.065 7.009,88.065 14.009,88.065 157.509,88.065 168.009,88.065 171.509,88.065 175.009,88.065 12.259,91.565 15.759,91.565 19.259,91.565 155.759,91.565 169.759,91.565 176.759,91.565 7.009,95.065 14.009,95.065 17.509,95.065 157.509,95.065 161.009,95.065 168.009,95.065 171.509,95.065 175.009,95.065 5.259,98.565 12.259,98.565 15.759,98.565 155.759,98.565 159.259,98.565 169.759,98.565 173.259,98.565 176.759,98.565 157.78,101.793 10.509,102.065 14.009,102.065 17.509,102.065 161.009,102.065 168.009,102.065 171.509,102.065 175.009,102.065 5.259,105.565 15.759,105.565 169.759,105.565 173.259,105.565 176.759,105.565 7.009,109.065 10.509,109.065 157.509,109.065 161.009,109.065 168.009,109.065 171.509,109.065 175.009,109.065 159.259,112.565 169.759,112.565 173.259,112.565 176.759,112.565 161.613,115.461 7.009,116.065 14.009,116.065 17.509,116.065 168.009,116.065 171.509,116.065 175.009,116.065 156.712,116.861 159.337,119.486 5.259,119.565 19.259,119.565 169.759,119.565 176.759,119.565 158.127,122.447 7.009,123.065 14.009,123.065 5.259,126.565 8.759,126.565 15.759,126.565 19.259,126.565 169.759,126.565 176.759,126.565 3.509,130.065 7.009,130.065 14.009,130.065 17.509,130.065 175.009,130.065 161.636,131.059 157.992,133.105 5.259,133.565 8.759,133.565 15.759,133.565 19.259,133.565 159.259,133.565 162.759,133.565 176.759,133.565 3.509,137.065 7.009,137.065 14.009,137.065 17.509,137.065 157.509,137.065 161.009,137.065 168.009,137.065 171.509,137.065 175.009,137.065 5.259,140.565 8.759,140.565 15.759,140.565 19.259,140.565 155.759,140.565 159.259,140.565 162.759,140.565 169.759,140.565 173.259,140.565 176.759,140.565 3.509,144.065 7.009,144.065 14.009,144.065 17.509,144.065 157.509,144.065 161.009,144.065 168.009,144.065 171.509,144.065 175.009,144.065 5.259,147.565 8.759,147.565 15.759,147.565 19.259,147.565 155.759,147.565 159.259,147.565 162.759,147.565 169.759,147.565 173.259,147.565 176.759,147.565 3.509,151.065 7.009,151.065 10.509,151.065 17.509,151.065 157.509,151.065 164.509,151.065 168.009,151.065 171.509,151.065 175.009,151.065 5.259,154.565 8.759,154.565 12.259,154.565 155.759,154.565 159.259,154.565 162.759,154.565 166.259,154.565 169.759,154.565 173.259,154.565 176.759,154.565 3.509,158.065 7.009,158.065 10.509,158.065 14.009,158.065 17.509,158.065 157.509,158.065 161.009,158.065 164.509,158.065 168.009,158.065 171.509,158.065 175.009,158.065 5.259,161.565 8.759,161.565 12.259,161.565 15.759,161.565 19.259,161.565 155.759,161.565 159.259,161.565 162.759,161.565 166.259,161.565 169.759,161.565 173.259,161.565 176.759,161.565 3.509,165.065 7.009,165.065 10.509,165.065 14.009,165.065 17.509,165.065 157.509,165.065 161.009,165.065 164.509,165.065 168.009,165.065 171.509,165.065 175.009,165.065 5.259,168.565 8.759,168.565 12.259,168.565 15.759,168.565 19.259,168.565 155.759,168.565 159.259,168.565 162.759,168.565 166.259,168.565 169.759,168.565 173.259,168.565 176.759,168.565 3.509,172.065 7.009,172.065 10.509,172.065 14.009,172.065 17.509,172.065 21.009,172.065 24.509,172.065 28.009,172.065 31.509,172.065 35.009,172.065 38.509,172.065 42.009,172.065 45.509,172.065 49.009,172.065 52.509,172.065 56.009,172.065 59.509,172.065 63.009,172.065 66.509,172.065 70.009,172.065 73.509,172.065 77.009,172.065 80.509,172.065 84.009,172.065 87.509,172.065 91.009,172.065 94.509,172.065 101.509,172.065 105.009,172.065 108.509,172.065 112.009,172.065 115.509,172.065 119.009,172.065 122.509,172.065 126.009,172.065 129.509,172.065 133.009,172.065 136.509,172.065 140.009,172.065 143.509,172.065 147.009,172.065 150.509,172.065 154.009,172.065 157.509,172.065 161.009,172.065 164.509,172.065 168.009,172.065 171.509,172.065 175.009,172.065 5.259,175.565 8.759,175.565 12.259,175.565 15.759,175.565 19.259,175.565 22.759,175.565 26.259,175.565 29.759,175.565 33.259,175.565 36.759,175.565 40.259,175.565 43.759,175.565 47.259,175.565 50.759,175.565 54.259,175.565 57.759,175.565 61.259,175.565 64.759,175.565 68.259,175.565 71.759,175.565 75.259,175.565 78.759,175.565 96.259,175.565 99.759,175.565 103.259,175.565 106.759,175.565 110.259,175.565 113.759,175.565 117.259,175.565 120.759,175.565 124.259,175.565 127.759,175.565 131.259,175.565 134.759,175.565 138.259,175.565 141.759,175.565 145.259,175.565 148.759,175.565 152.259,175.565 155.759,175.565 159.259,175.565 162.759,175.565 166.259,175.565 169.759,175.565 173.259,175.565 176.759,175.565
NetMUX_1: MUX.1 R10.2 | length 20.8
  Top Layer w0.3: v2(52.121,58.14) 52.256,58.14 52.775,57.621 MUX.1@54.479,57.621 ; v2(57.607,46.406) 59.332,46.406 60.114,47.188 R10.2@60.114,47.244
  Bottom Layer w0.3: v2(52.121,58.14) 52.121,49.688 55.403,46.406 v2(57.607,46.406)
"NetOA CC SINK_1": "OA CC SINK.1" R13.1 | length 2.4
  Bottom Layer w0.22: R13.1@82.118,12.847 82.306,12.847 82.811,13.352 82.811,13.433 83.36,13.981 83.812,13.981 83.947,14.116
  Bottom Layer w0.254: R13.1@82.118,12.834 R13.1@82.118,12.847
"NetOA CC SINK_2": "OA CC SINK.2" R15.1 | length 11.2
  Bottom Layer w0.254: R15.1@79.786,6.667 79.786,12.903 81.649,14.766 83.947,14.766
"NetOA CC SINK_3": "OA CC SINK.3" "OA UB 1.6" "OA UB 1.7" | length 8.1
  Bottom Layer w0.22: 77.86,16.241 78.51,16.241 ; 78.486,17.307 78.779,17.307
  Bottom Layer w0.254: 78.51,16.241 78.534,16.265 78.534,17.063 78.779,17.307 80.816,17.307 82.707,15.416 83.947,15.416
"NetOA I_SENSE_3": "OA I_SENSE.3" R16.1 R18.2 | length 19.4
  Top Layer w0.3: v2(90.346,7.018) 90.425,7.097 92.179,7.097 93.29,8.208 93.29,12.137 94.087,12.934 94.692,12.934 v2(95.584,13.827)
  Bottom Layer w0.22: R18.2@87.147,6.985 88.973,6.985 89.129,7.141 ; v2(90.346,7.018) 90.346,8.359 ; R16.1@93.29,14.152 95.102,14.152 95.427,13.827 v2(95.584,13.827)
  Bottom Layer w0.254: 89.129,7.141 90.346,8.359 90.706,8.719 90.706,9.747
NetR3_2: "USB - C IN.A5" R3.2 | length 4.3
  Top Layer w0.5: R3.2@167.324,16.272 167.374,16.272 167.574,16.472 167.574,16.522 169.574,18.522 170.674,18.522
NetR4_2: "USB - C IN.B5" R4.2 | length 3.5
  Top Layer w0.5: R4.2@167.324,19.172 168.346,19.172 168.696,19.522 170.674,19.522
pads on no net: "3.3V LDO.4" "ARDUINO NANO.3" "ARDUINO NANO.9" "ARDUINO NANO.10" "ARDUINO NANO.11" "ARDUINO NANO.17" "ARDUINO NANO.22" "ARDUINO NANO.25" "ARDUINO NANO.26" "ARDUINO NANO.28" "ARDUINO NANO.30" "BUCK IC.6" "BUCK IC.7" "I2C EXPANDER.1" "OA CC SINK.5" "OA CC SINK.6" "OA CC SINK.7" "OA UB 1.1" "OA UB 1.2" "OA UB 1.3" "OA UB 1.4" "OA UB 1.8" "RELAY DRIVER 1.6" "RELAY DRIVER 1.7" "RELAY DRIVER 1.10" "RELAY DRIVER 1.11" "RELAY DRIVER 2.6" "RELAY DRIVER 2.7" "RELAY DRIVER 2.10" "RELAY DRIVER 2.11" DAC.3 DAC.9 LCD. LCD.7 LCD.8 LCD.9 LCD.10 MicroSD.1 MicroSD.8 MUX.16 MUX.17 MUX.18 MUX.19 MUX.20 MUX.21 UART.4

## Polygon pours and split planes (outlines as drawn)
NetMOSFET_CC_2 on Bottom Layer "NETMOSFET_CC_2_L04_P060" (solid, pour order 60): 0.406,171.024 21.009,171.024 21.158,58.853 21.157,58.852 0.508,58.852
GND on Bottom Layer "GND_L04_P053" (solid, pour order 53): 131.739,65.604 131.801,169.951 131.739,169.977 115.087,169.977 115.087,65.606 115.107,65.604
NetMOSFET_CC_2 on Bottom Layer "NETMOSFET_CC_2_L04_P038" (solid, pour order 38): 154.893,179.4 178.867,179.4 178.867,61.758 154.893,61.758
NetMOSFET_CC_2 on Bottom Layer "NETMOSFET_CC_2_L04_P057" (solid, pour order 57): 0.406,179.4 99.371,179.4 99.365,179.394 178.869,179.394 178.875,171.018 99.365,171.018 0.412,171.018 0.406,171.024
NetC13_2 on Bottom Layer "NETC13_2_L04_P055" (solid, pour order 55): 89.84,178.071 ccw(c98.504,131.479) 86.538,177.334 ccw(c86.586,176.361) 85.613,176.409 ccw(c86.538,176.409) 86.269,175.524 91.143,175.012 92.899,175.012 92.899,178.486 91.143,178.486 ccw(c96.318,160.004)
GND on Bottom Layer "GND_L04_P058" (solid, pour order 58): 96.281,160.065 131.77,160.065 131.77,169.921 131.801,169.951 131.775,169.977 98.544,169.977 96.281,169.977 96.281,170.434 96.281,177.877 96.281,173.863 96.281,169.977 96.281,167.208
NetCELL6_2 on Bottom Layer "NETCELL6_2_L04_P047" (solid, pour order 47): 25.252,74.574 51.973,74.574 51.973,67.081 25.252,67.081
NetCELL7_2 on Bottom Layer "NETCELL7_2_L04_P046" (solid, pour order 46): 26.645,97.976 53.365,97.976 53.365,90.483 26.645,90.483
NetCELL8_2 on Bottom Layer "NETCELL8_2_L04_P045" (solid, pour order 45): 26.645,120.752 53.365,120.752 53.365,113.259 26.645,113.259
NetCELL9_2 on Bottom Layer "NETCELL9_2_L04_P044" (solid, pour order 44): 26.645,144.716 53.365,144.716 53.365,137.223 26.645,137.223
NetCELL10_2 on Bottom Layer "NETCELL10_2_L04_P043" (solid, pour order 43): 26.645,166.827 53.365,166.827 53.365,158.725 52.756,159.334 26.645,159.334
NetMOSFET_CC_2 on Top Layer "NETMOSFET_CC_2_L01_P037" (solid, pour order 37): 0.406,179.4 21.154,179.4 21.154,61.777 21.173,61.758 21.173,58.844 0.406,58.844 0.406,61.758
"NetBUCK IC_2" on Top Layer "NETBUCK_IC_2_L01_P059" (solid, pour order 59): 156.515,35.357 156.515,27.28 156.388,27.153 147.549,27.153 147.549,35.357
NetMOSFET_CC_2 on Top Layer "NETMOSFET_CC_2_L01_P061" (solid, pour order 61): 178.867,170.993 154.889,170.993 154.889,61.519 155.118,61.747 178.867,61.747
NetCELL2_2 on Top Layer "NETCELL2_2_L01_P051" (solid, pour order 51): 118.186,97.747 144.907,97.747 144.907,90.254 118.186,90.254
GND on Top Layer "GND_L01_P054" (solid, pour order 54): 42.504,169.088 56.617,169.088 56.617,65.329 56.617,66.015 55.88,66.015 42.418,66.015 42.418,169.002
NetCELL3_2 on Top Layer "NETCELL3_2_L01_P050" (solid, pour order 50): 118.186,120.523 144.907,120.523 144.907,113.03 118.186,113.03
NetMOSFET_CC_2 on Top Layer "NETMOSFET_CC_2_L01_P056" (solid, pour order 56): 100.112,179.4 178.867,179.4 178.867,170.992 100.112,171.018 70.866,171.018 70.841,170.993 70.825,171.008 0.406,170.993 0.406,179.4 70.825,179.4
NetCELL4_2 on Top Layer "NETCELL4_2_L01_P049" (solid, pour order 49): 118.186,144.487 144.907,144.487 144.907,136.994 118.186,136.994
NetCELL5_2 on Top Layer "NETCELL5_2_L01_P048" (solid, pour order 48): 118.186,166.599 144.907,166.599 144.907,159.106 118.186,159.106
NetCELL1_2 on Top Layer "NETCELL1_2_L01_P052" (solid, pour order 52): 116.794,74.346 143.515,74.346 143.515,66.853 116.794,66.853
5V on Power Plane (split plane): 178.356,-0.048 0.51,-0.048 0.51,182.395 178.356,182.395
GND on GND Plane (split plane): 178.356,-0.048 0.51,-0.048 0.51,182.395 178.356,182.395

## Keep-outs
Top Layer:
  region: 52.616,205.181 52.616,221.285 52.616,222.098 72.758,222.098 114.414,222.098 114.414,180.442 52.616,180.442

## Silkscreen, mask and mechanical layers (free items; w line width, h text height)
Top Overlay:
  text "GND" at 3.302,41.235 h1
  text "TX" at 6.337,37.32 h1 r270
  text "RX" at 6.337,34.78 h1 r270
  text "NC" at 6.348,32.24 h1 r270
  text "GND" at 6.36,28.482 h1 r270
  text "5V" at 6.36,25.712 h1 r270
  text "SDA" at 6.348,23.172 h1 r270
  text "SCL" at 6.371,20.632 h1 r270
  text "GND" at 6.382,15.961 h1 r270
  text "5V" at 6.382,13.191 h1 r270
  text "SCK" at 6.393,10.881 h1 r270
  text "MOSI" at 6.382,8.341 h1 r270
  text "MISO" at 6.348,5.801 h1 r270
  text "CS" at 6.348,3.034 h1 r270
Board:
  lines w0.254: 0,0 0,182.905 178.867,182.905 178.867,0 176.2,0 ; 22.835,50.851 22.835,50.851
Top Designator:
  text "GND" at -5.436,40.011 h0.5

## Text inside footprints (layer, text, board x,y; h text height)
"BUCK IC": Top Assembly "*" at 150.023,31.534 h1.27; Top Assembly "RefDes2" at 149.718,29.769 h1.27; Top Overlay "*" at 148.676,32.741 h1.27
DAC: Bottom Assembly "*" at 72.444,16.349 h1.27 r90; Bottom Overlay "*" at 71.495,17.65 h1.27 r90